# Altium PCB 6502_CPU_MainBoard_PCB_V1_2.PcbDoc (part 2 of 5)
Units mil, origin at the board's own origin, x right, y up, seen from the top; angles counter-clockwise.
Board outline 9000 x 6000 mil, 4 copper layers (Top Layer, Plane(GND), Plane(Power), Bottom Layer), stack 23.756 mil thick; 386 components, 378 nets, 1499 pads, 666 vias.
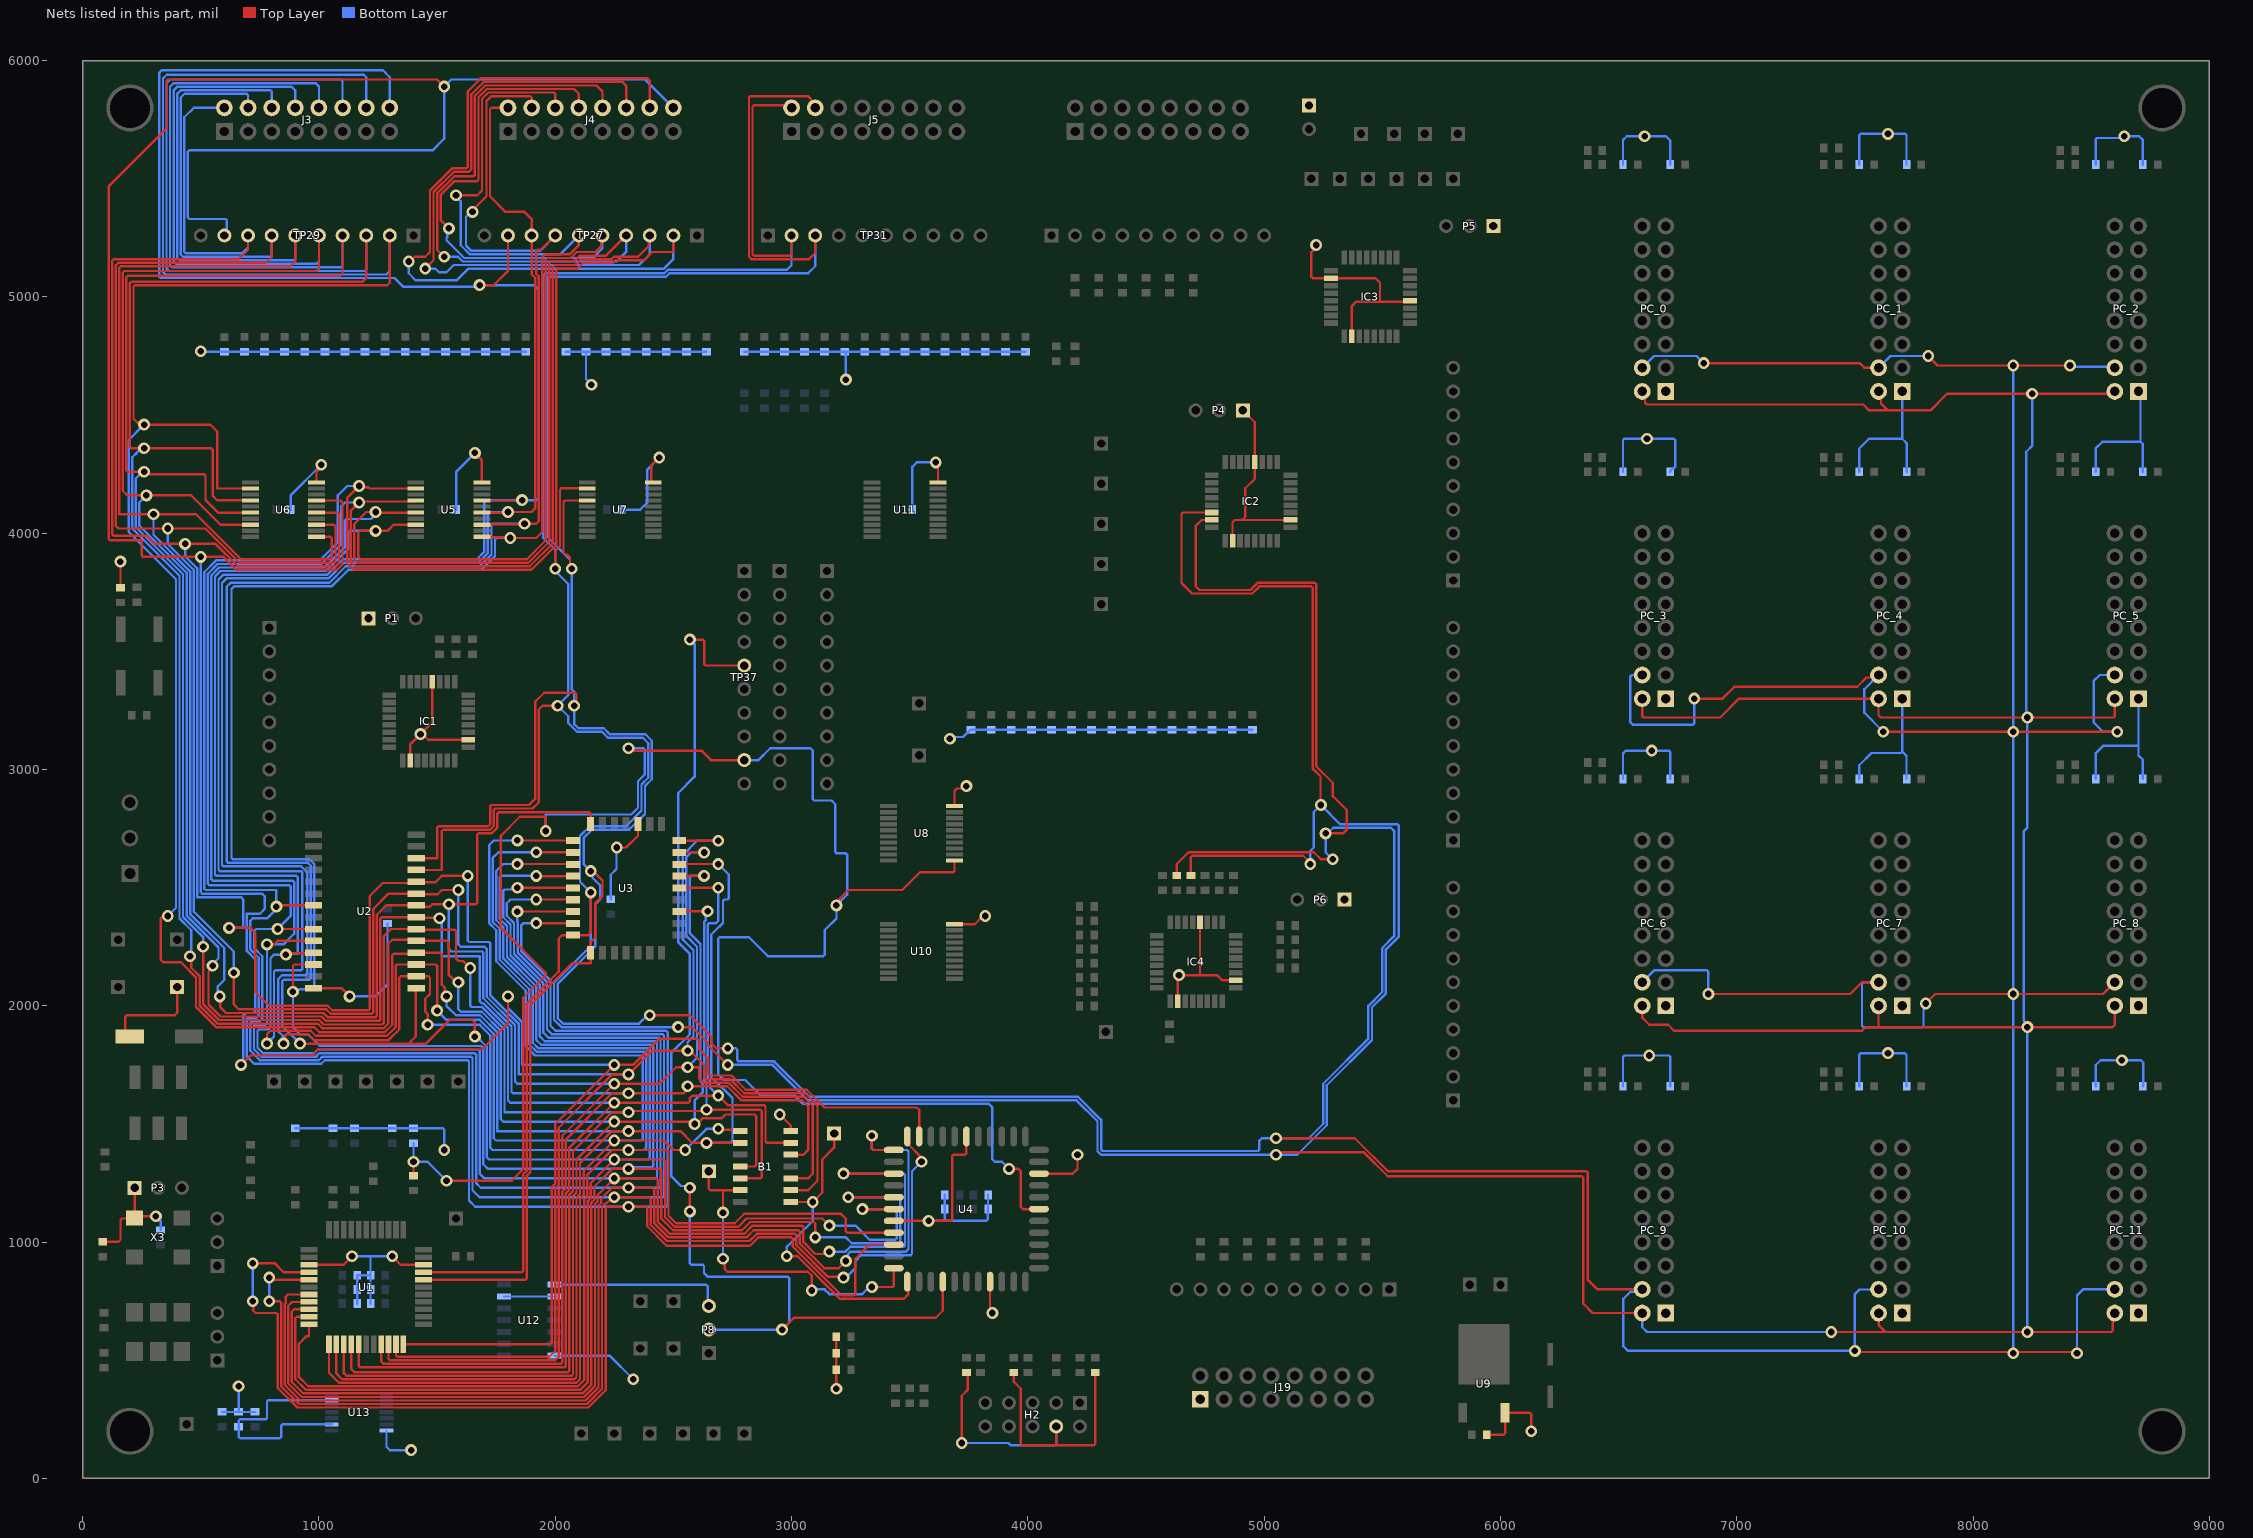
[diagram p4: the nets of this part, all layers, seen from the top]

## Via types
v1: diameter 50, hole 28, Top Layer to Bottom Layer, 666 vias

## Nets (pads, with @x,y where several pads share a name; then routed paths per layer and width w, separated by ;. In a path a pad name is that pad's centre, name@x,y a point inside that pad or via, vN(x,y) a via of type N, cw(c..) or ccw(c..) an arc to the next point about the centre after c; other vN are vias at no path point) (continued)
+5: B1.14 C2.1 C3.1 C4.1 C5.1 C6.1 C7.1 C8.1 C9.1 C10.1 C11.1 C12.1 C13.1 C14.1 C15.1 C16.1 C17.1 C18.1 C20.1 D1.1 H2.4 IC1.10 IC1.18 IC1.28 IC2.10 IC2.18 IC2.28 IC3.10 IC3.18 IC3.28 IC4.10 IC4.18 IC4.28 J2.1 J19.1 P1.1 P3.1 P4.1 P5.1 P6.1 PC_0.1 PC_1.1 PC_2.1 PC_3.1 PC_4.1 PC_5.1 PC_6.1 PC_7.1 PC_8.1 PC_9.1 PC_10.1 PC_11.1 R1.2 R2.2 R3.2 R4.2 R8.2 R9.2 R10.2 R12.1 R13.1 R14.1 R31.2 R56.1 R72.1 R73.1 R74.1 R75.1 R76.1 R77.1 R78.1 R79.1 R80.2 R81.2 R82.2 R83.2 R84.2 R85.2 R86.2 R87.2 R88.2 R89.2 R90.2 R91.2 R92.2 R93.2 R94.2 R95.2 R96.1 R97.1 R98.1 R99.1 R100.1 R101.1 R102.1 R103.1 R112.1 R113.1 R114.1 R115.1 R116.1 R117.1 R118.1 R119.1 R120.1 R121.1 R122.1 R123.1 R124.1 R125.1 R126.1 R135.1 R136.1 R140.1 R141.1 R147.1 R148.1 R274.1 R275.1 R276.1 R277.1 R278.1 R279.1 R280.1 R281.1 R282.1 R283.1 R284.1 R285.1 R286.1 R300.1 R301.1 R302.1 R303.1 R304.1 R305.1 R306.1 R307.1 R308.1 R309.1 R310.1 R311.1 R312.1 R313.1 R314.1 R315.1 TP22.1 U1.3 U1.31 U2.28 U3.32 U4.3 U4.15 U4.23 U4.35 U5.20 U6.20 U7.20 U8.20 U9.3 U10.20 U11.20 U12.14 U13.14 X3.4 | length 24023.6
  Top Layer w10: R140.1@85,1001.5 151.5,1001.5 160,1010 160,1094.14 165.86,1100 217.32,1100 X3.4@220,1102.68 ; R56.1@160,3770 v1(160,3880) ; D1.1@200,1870 180,1890 180,1954.14 185.86,1960 390,1960 400,1970 TP22.1@400,2080 ; D1.1@200,1874.98 D1.1@204.98,1870 ; P3.1@220,1230 X3.4@220,1102.68 ; v1(310,1110) 227.32,1110 X3.4@220,1102.68 ; U1.3@957.87,904.49 1104.49,904.49 v1(1140,940) ; U2.28@976.67,2075 1095,2075 v1(1130,2040) ; U6.20@989.76,4215.16 989.76,4258.94 1010,4279.18 v1(1010,4290) ; v1(1310,940) 1345.51,904.49 U1.31@1442.13,904.49 ; IC1.10@1385.75,3038.15 1385.75,3105.75 v1(1430,3150) ; IC1.28@1480.24,3371.85 1480.24,3200.24 v1(1430,3150) ; IC1.18@1631.34,3126.26 1462.83,3126.26 1439.09,3150 v1(1430,3150) ; v1(1660,4340) 1689.76,4310.24 U5.20@1689.76,4215.16 ; v1(2260,2670) 2300,2670 2350,2720 U3.32@2350,2770 ; U7.20@2414.76,4215.16 2409.86,4215.16 2406,4219.02 2406,4286 v1(2440,4320) ; v1(2950,1540) 2996.77,1493.23 B1.14@2996.77,1470 ; R13.1@3188.5,600 R12.1@3188.5,530 R14.1@3188.5,460 3188.5,381.5 v1(3190,380) ; U4.35@3432.79,1090 v1(3580,1090) 3674.14,1090 3680,1095.86 3680,1364.14 3685.86,1370 3734.14,1370 3740,1375.86 U4.23@3740,1447.2 ; v1(3610,4300) 3619.76,4290.24 U11.20@3619.76,4215.16 ; U10.20@3689.76,2345.16 3775.16,2345.16 3810.86,2380.86 3819.14,2380.86 v1(3820,2380) ; U8.20@3689.76,2845.16 3689.76,2909.76 3700,2920 3734.14,2920 3740,2925.86 v1(3740,2930) ; v1(3720,150) 3720,350 3745,375 3745,443.5 R141.1@3740,448.5 ; U4.3@3840,832.8 3840,710 v1(3850,700) ; R147.1@3940,448.5 3940,410 3970,380 3970,145.86 3975.86,140 4119.14,140 ; U4.15@4047.2,1290 4190,1290 4210,1310 v1(4210,1370) ; H2.4@4120,220 4120,140.86 4119.14,140 ; R148.1@4285,448.5 4285,145.86 4279.14,140 4119.14,140 ; IC4.10@4634.02,2020 4634.02,2124.14 v1(4639.87,2130) 4728.5,2130 ; IC4.28@4728.5,2353.7 4728.5,2130 ; IC2.10@4866.26,3968.15 4866.26,4046.66 4875.86,4056.26 4906.26,4056.26 ; IC4.18@4879.61,2108.11 4821.89,2108.11 4800,2130 4728.5,2130 ; P4.1@4910,4520 4960,4470 4960,4302.6 IC2.28@4960.75,4301.85 4960.75,4230.75 4920,4190 4920,4070 4906.26,4056.26 ; IC2.18@5111.85,4056.26 4906.26,4056.26 ; v1(5220,5220) 5220,5209.18 5200,5189.18 5200,5084.6 5205.86,5078.74 IC3.10@5283.15,5078.74 5471.26,5078.74 5490,5060 5490,4980 ; IC3.18@5371.26,4833.15 5371.26,4961.26 5390,4980 5490,4980 ; IC3.28@5616.85,4984.25 5612.6,4980 5490,4980 ; C20.1@5941.5,185 6013.91,185 6019.76,190.86 U9.3@6019.76,277.68 6124.14,277.68 6130,271.82 v1(6130,200)
  Bottom Layer w10: v1(310,1110) 330,1090 C18.1@330,1051.5 ; v1(500,4770) 501.5,4768.5 R95.2@600,4768.5 R94.2@685,4768.5 R93.2@770,4768.5 R92.2@855,4768.5 R91.2@940,4768.5 R90.2@1025,4768.5 R89.2@1110,4768.5 R88.2@1195,4768.5 R87.2@1280,4768.5 R86.2@1365,4768.5 R85.2@1450,4768.5 R84.2@1535,4768.5 R83.2@1620,4768.5 R82.2@1705,4768.5 R81.2@1790,4768.5 R80.2@1875,4768.5 ; R8.2@590,281.5 R10.2@660,281.5 ; v1(660,390) R10.2@660,281.5 ; R9.2@730,281.5 R10.2@660,281.5 ; C3.1@881.5,4100 881.5,4161.5 v1(1010,4290) ; R2.2@900,1481.5 R3.2@1060,1481.5 R1.2@1150,1481.5 1524.14,1481.5 1530,1475.64 v1(1530,1390) ; v1(1130,2040) 1240,2040 1290,2090 C16.1@1290,2348.5 ; v1(1140,940) 1218.5,940 ; C8.1@1161.5,740 C7.1@1161.5,800 C6.1@1161.5,860 C9.1@1218.5,860 ; C11.1@1218.5,740 C10.1@1218.5,800 C9.1@1218.5,860 ; U13.14@1285.67,203.23 1285.67,134.33 1300,120 v1(1390,120) ; v1(1310,940) 1218.5,940 ; C2.1@1581.5,4100 1581.5,4261.5 v1(1660,4340) ; U12.14@1996.77,520 2230,520 v1(2330,420) ; R103.1@2045,4768.5 R102.1@2130,4768.5 ; v1(2153,4628) 2148,4633 2148,4635 2130,4653 R102.1@2130,4768.5 ; C17.1@2235,2451.5 2235,2555 2259.14,2579.14 2259.14,2669.14 v1(2260,2670) ; C4.1@2281.5,4100 2360,4100 2390,4130 2390,4270 v1(2440,4320) ; R96.1@2640,4768.5 R97.1@2555,4768.5 R98.1@2470,4768.5 R99.1@2385,4768.5 R100.1@2300,4768.5 R101.1@2215,4768.5 R102.1@2130,4768.5 ; R278.1@2800,4768.5 R274.1@2885,4768.5 R275.1@2970,4768.5 R276.1@3055,4768.5 R277.1@3140,4768.5 R307.1@3225,4768.5 ; v1(3230,4650) 3230,4763.5 R307.1@3225,4768.5 ; C5.1@3511.5,4100 3511.5,4281.5 3530,4300 v1(3610,4300) ; v1(3580,1090) 3654.36,1090 ; C14.1@3648.5,1200 C15.1@3648.5,1140 3648.5,1095.86 3654.36,1090 ; v1(3670,3130) 3677.65,3137.65 3726.2,3137.65 3757.05,3168.5 R114.1@3845,3168.5 R113.1@3930,3168.5 R112.1@4015,3168.5 R116.1@4100,3168.5 R117.1@4185,3168.5 R118.1@4270,3168.5 R315.1@4355,3168.5 R314.1@4440,3168.5 R313.1@4525,3168.5 R312.1@4610,3168.5 R311.1@4695,3168.5 R310.1@4780,3168.5 R309.1@4865,3168.5 R308.1@4950,3168.5 ; v1(3720,150) 3917.48,150 3927.48,140 4114.14,140 4120,145.86 H2.4@4120,220 ; C12.1@3831.5,1200 C13.1@3831.5,1140 3830,1138.5 3830,1095.86 3824.14,1090 3654.36,1090 ; R136.1@3990,4768.5 R135.1@3905,4768.5 R300.1@3820,4768.5 R301.1@3735,4768.5 R302.1@3650,4768.5 R303.1@3565,4768.5 R304.1@3480,4768.5 R305.1@3395,4768.5 R306.1@3310,4768.5 R307.1@3225,4768.5 ; R285.1@6518.5,1660 6518.5,1784.14 6524.36,1790 6712.65,1790 6718.5,1784.14 R281.1@6718.5,1660 ; R120.1@6518.5,2960 6518.5,3068.5 6530,3080 v1(6640,3080) 6712.65,3080 6718.5,3074.14 R73.1@6718.5,2960 ; R123.1@6518.5,4260 6518.5,4394.14 6524.36,4400 6733.3,4400 6739.16,4394.14 6739.16,4280.66 6732.2,4273.7 6729.25,4273.7 6718.5,4262.95 R76.1@6718.5,4260 ; R126.1@6518.5,5560 6518.5,5664.14 6534.36,5680 v1(6610,5680) 6700,5680 6718.5,5661.5 R79.1@6718.5,5560 ; R284.1@7518.5,1660 7518.5,1794.14 7524.36,1800 7710,1800 7718.5,1791.5 R280.1@7718.5,1660 ; R119.1@7518.5,2960 7518.5,3018.5 7570,3070 7694.14,3070 7700,3075.86 ; R122.1@7518.5,4260 7518.5,4358.5 7560,4400 7700,4400 ; R125.1@7518.5,5560 7518.5,5684.14 7524.36,5690 7712.65,5690 7718.5,5684.14 R78.1@7718.5,5560 ; PC_4.1@7700,3300 7700,3075.86 ; PC_1.1@7700,4600 7700,4400 ; R72.1@7718.5,2960 7718.5,3057.35 7700,3075.86 ; R75.1@7720,4260 7720,4380 7700,4400 ; R283.1@8518.5,1660 8518.5,1748.5 8540,1770 8710,1770 8720,1760 8720,1661.5 R279.1@8718.5,1660 ; R286.1@8518.5,2960 8518.5,3068.5 8550,3100 8700,3100 ; R121.1@8518.5,4260 8518.5,4358.5 8547.24,4387.24 8708.5,4387.24 ; R124.1@8518.5,5560 8518.5,5666.49 8524.36,5672.35 8632.35,5672.35 v1(8640,5680) 8702.65,5680 8718.5,5664.14 R77.1@8718.5,5560 ; PC_5.1@8700,3300 8700,3100 ; PC_2.1@8700,4600 8708.5,4591.5 8708.5,4387.24 ; R282.1@8718.5,2960 8718.5,3041.5 8700,3060 8700,3100 ; R74.1@8718.5,4260 8718.5,4377.24 8708.5,4387.24 ; C9.1@1218.5,860 1218.5,940
  other v1: 8630,1770 6630,1790 7640,1800 6620,4400 7640,5690
A0: J4.14 TP27.2 U1.4 U2.21 U3.12 U4.37 U5.2 | length 19067.2
  Top Layer w10: v1(720,750) 722.43,747.57 722.43,710 732.43,700 819.27,700 825.13,694.14 825.13,383.66 908.79,300 2140,300 2213.11,373.11 2213.11,1142.78 2220.33,1150 2383.54,1150 2389.39,1144.14 2389.39,1066.97 2471.36,985 2823.79,985 2858.79,1020 2999.14,1020 3005,1014.14 3005,981.36 3211.36,775 3264.14,775 3270,780.86 3270,930 3330,990 U4.37@3432.79,990 ; v1(720,910) 813.54,910 850.55,872.99 U1.4@957.87,872.99 ; v1(820,2420) 825,2425 U2.21@976.67,2425 ; v1(1380,5150) 1385.86,5150 1405.86,5170 1450,5170 1470,5190 1470,5450 1565,5545 1624.14,5545 1630,5550.86 1630,5870 1685,5925 2390,5925 2400,5915 J4.14@2400,5800 ; U5.2@1410.24,4189.57 1215,4189.57 1210,4194.57 1175.43,4194.57 v1(1170,4200) 1119.14,4149.14 1119.14,3874.29 1148.43,3845 1898.64,3845 2005,3951.36 2005,5114.14 2010.86,5120 2094.14,5120 2118.54,5144.39 2244.39,5144.39 2255,5155 2375,5155 2410,5190 2500,5190 TP27.2@2500,5260 ; v1(1920,2350) 1921,2349 U3.12@2075,2349
  Bottom Layer w10: v1(720,750) v1(720,910) ; v1(1170,4200) 1120,4200 1080,4160 1080,3961.21 1003.79,3885 565,3885 515,3835 515,2495.86 520.86,2490 820,2490 v1(820,2420) 820,2410 780,2370 720,2370 710,2360 710,2238.79 745,2203.79 745,1960 735,1950 700.86,1950 695,1944.14 695,1785 725,1755 1010,1755 1025,1770 1629.14,1770 1635,1764.14 1635,1176.21 1661.21,1150 2469.64,1150 2475.5,1155.86 2475.5,1889.14 2469.64,1895 2000.86,1895 1980,1915.86 1980,2107.28 1855.61,2231.67 1855.61,2340 1865.61,2350 v1(1920,2350) ; v1(1380,5150) 1380,5100 1410,5070 1582.5,5070 1632.5,5120 2460,5120 2500,5160 TP27.2@2500,5260
  other v1: 2310,1150
A1: J4.12 TP27.3 U1.5 U2.23 U3.11 U4.28 U5.4 | length 18663.7
  Top Layer w10: v1(790,750) 833.83,750 840.13,743.7 840.13,389.87 915,315 2133.79,315 2198.11,379.32 2198.11,1148.99 2214.78,1165.67 2217.76,1165.67 2239.18,1187.08 2239.18,1190 2398.54,1190 2404.39,1184.14 2404.39,1073.18 2472.57,1005 2822.57,1005 2852.57,1035 3014.14,1035 3020,1029.14 3020,987.57 3154.54,853.03 3216.97,853.03 v1(3220,850) ; v1@809.33,841.5 U1.5@957.87,841.5 ; v1(825,2325) U2.23@976.67,2325 ; U5.4@1410.24,4138.39 1406.38,4134.53 1174.53,4134.53 1134.14,4094.14 1134.14,3880.5 1154.64,3860 1892.43,3860 1990,3957.57 1990,5129.14 1995.86,5135 2086.21,5135 2110.61,5159.39 2238.18,5159.39 2248.79,5170 2350,5170 2395.47,5215.47 2395.47,5255.47 TP27.3@2400,5260 ; v1(1450,5120) 1485,5155 1485,5443.79 1571.21,5530 1635,5530 1645,5540 1645,5857.43 1697.57,5910 2284.14,5910 2300,5894.14 J4.12@2300,5800 ; v1(1840,2399) U3.11@2075,2399 ; U4.28@3486.64,1450.56 U4.28@3490,1447.2 3490,1418.78 3550,1358.78 v1(3550,1340)
  Bottom Layer w10: v1(790,750) v1(790,850) ; v1(1170,4130) 1110.86,4130 1095,4114.14 1095,3955 1010,3870 571.21,3870 530,3828.79 530,2515.86 535.86,2510 874.14,2510 880,2504.14 880,2380 v1(825,2325) 735,2325 725,2315 725,2245 760,2210 760,1945.86 749.14,1935 715.86,1935 710,1929.14 710,1810 750,1770 1000,1770 1015,1785 1644.14,1785 1650,1779.14 1650,1220 1680,1190 v1(2250,1190) 2454.64,1190 2460.5,1195.86 2460.5,1874.14 2454.64,1880 1985.86,1880 1965,1900.86 1965,2101.07 1840.61,2225.46 1840.61,2356.67 1840,2357.28 v1(1840,2399) ; v1(1450,5120) 1492.48,5120 1508.34,5104.14 1540,5104.14 1570.86,5135 2355,5135 2400,5180 TP27.3@2400,5260 ; v1(3220,850) 3230,850 3270,890 3270,920 3295,945 3504.14,945 3510,950.86 3510,1300 v1(3550,1340)
A2: J4.10 TP27.4 U1.7 U2.24 U3.10 U4.29 U5.6 | length 18143.4
  Top Layer w10: v1(780,2260) 810,2260 825,2275 U2.24@976.67,2275 ; U1.7@957.87,778.5 868.5,778.5 860,770 860,742.36 855.13,737.49 855.13,396.09 921.21,330 2127.57,330 2183.11,385.53 2183.11,1155.2 2195,1167.1 2195,1184.5 2240.5,1230 v1(2310,1230) 2413.54,1230 2419.39,1224.14 2419.39,1079.39 2478.79,1020 2810,1020 2840,1050 3029.14,1050 3035,1044.14 3035,993.79 3138.79,890 3200,890 v1(3230,920) ; U5.6@1410.24,4087.2 1242.8,4087.2 v1(1240,4090) 1200,4090 1149.14,4039.14 1149.14,3886.72 1160.86,3875 1886.21,3875 1975,3963.79 1975,5144.14 1980.86,5150 2080,5150 2102.76,5172.76 2105,5175 2215,5175 TP27.4@2300,5260 ; v1(1530,5170) 1500,5200 1500,5437.57 1572.43,5510 1654.14,5510 1660,5515.86 1660,5851.21 1703.79,5895 2175,5895 2200,5870 J4.10@2200,5800 ; v1(1920,2450) 2074,2450 U3.10@2075,2449 ; v1(3340,1450) 3340,1395.86 3345.86,1390 U4.29@3432.79,1390
  Bottom Layer w10: v1(1240,4090) 1240,4080 1220,4060 1115.86,4060 1110,4054.14 1110,3941.21 1023.79,3855 577.43,3855 545,3822.57 545,2535.86 550.86,2530 889.14,2530 895,2524.14 895,2305 850,2260 v1(780,2260) 780,1925.86 774.14,1920 730.86,1920 725,1914.14 725,1816.21 756.21,1785 990,1785 990,1788.79 1001.21,1800 1659.14,1800 1665,1794.14 1665,1250 1685,1230 v1(2310,1230) 2439.64,1230 2445.5,1235.86 2445.5,1859.14 2439.64,1865 1970.86,1865 1950,1885.86 1950,2094.85 1825.61,2219.25 1825.61,2350.46 1795,2381.07 1795,2434.14 1810.86,2450 v1(1920,2450) ; v1(1530,5170) 1588.79,5170 1608.79,5150 2260,5150 2300,5190 TP27.4@2300,5260 ; v1(3230,920) 3237.65,927.65 3237.65,947.65 3250,960 3484.14,960 3495,970.86 3495,1384.14 3489.14,1390 3345.86,1390 3340,1395.86 v1(3340,1450)
A3: J4.8 TP27.5 U1.8 U2.25 U3.9 U4.31 U5.8 | length 17382.4
  Top Layer w10: v1(860,2216.64) 865.86,2222.5 974.17,2222.5 U2.25@976.67,2225 ; U1.8@957.87,747.01 885.86,747.01 870.13,731.28 870.13,402.3 927.43,345 2121.36,345 2168.11,391.75 2168.11,1161.42 2180,1173.31 2180,1200 v1(2250,1270) 2428.54,1270 2434.39,1264.14 2434.39,1085.61 2485,1035 2800,1035 2835,1070 3044.14,1070 3050,1064.14 3050,1000 3100,950 3134.14,950 3136.49,952.35 3152.35,952.35 v1(3160,960) ; U5.8@1410.24,4036.02 1316.02,4036.02 1290,4010 v1(1240,4010) 1172.73,4010 1166.87,4004.14 1166.87,3898.79 1175.66,3890 1880,3890 1960,3970 1960,5159.14 1965.86,5165 2066.21,5165 2091.21,5190 2170,5190 2195.47,5215.47 2195.47,5255.47 TP27.5@2200,5260 ; v1(1550,5290) 1515,5325 1515,5431.36 1573.64,5490 1669.14,5490 1675,5495.86 1675,5845 1710,5880 2080,5880 2100,5860 J4.8@2100,5800 ; v1(1840,2500) 2074,2500 U3.9@2075,2499 ; v1(3220,1290) U4.31@3432.79,1290
  Bottom Layer w10: v1(1240,4010) 1130.86,4010 1125,4004.14 1125,3935 1030,3840 583.64,3840 560,3816.36 560,2555.86 565.86,2550 904.14,2550 910,2544.14 910,2220 863.36,2220 v1(860,2216.64) 810,2216.64 795,2201.64 795,1910 785,1900 745.86,1900 740,1894.14 740,1822.43 762.43,1800 980,1800 995,1815 1674.14,1815 1680,1809.14 1680,1290 1700,1270 v1(2250,1270) 2424.64,1270 2430.5,1275.86 2430.5,1844.14 2424.64,1850 1955.86,1850 1935,1870.86 1935,2088.64 1810.61,2213.03 1810.61,2344.25 1780,2374.85 1780,2486.49 1785.86,2492.35 1812.35,2492.35 v1@1820,2500 ; v1(1550,5290) 1542.35,5282.35 1542.35,5252.35 1540,5250 1540,5240 1615,5165 2159.14,5165 2200,5205.86 TP27.5@2200,5260 ; v1(3160,960) 3228.79,960 3248.79,980 3474.14,980 3480,985.86 3480,1284.14 3474.14,1290 v1(3220,1290)
A4: J4.6 TP27.6 U1.9 U2.26 U3.8 U4.33 U5.11 | length 15990.5
  Top Layer w10: v1(890,2060) 890,2169.14 895.86,2175 U2.26@976.67,2175 ; U1.9@957.87,715.51 894.49,715.51 885.13,706.15 885.13,408.51 933.64,360 2115.15,360 2153.11,397.96 2153.11,1167.63 2165,1179.52 2165,1234.5 2240.5,1310 v1(2310,1310) 2443.54,1310 2449.39,1304.14 2449.39,1099.39 2498.79,1050 2790,1050 2825,1085 3094.14,1085 3100,1079.14 v1(3100,1020) ; v1(1580,5430) 1670,5430 1690,5450 1690,5838.79 1716.21,5865 1994.14,5865 2000,5859.14 J4.6@2000,5800 ; U5.11@1689.76,3984.84 1692.19,3982.42 1807.58,3982.42 v1(1810,3980) 1920,3980 1945,4005 1945,5169.14 1955.86,5180 2060,5180 2100,5220 TP27.6@2100,5260 ; v1(1920,2550) 1921,2549 U3.8@2075,2549 ; v1(3240,1190) U4.33@3432.79,1190
  Bottom Layer w10: v1(1580,5430) 1580,5424.14 1600,5404.14 1600,5218.79 1638.79,5180 2020,5180 TP27.6@2100,5260 ; v1(1810,3980) 1750.86,3980 1745,3974.14 1745,3903.79 1686.21,3845 1123.79,3845 1053.79,3775 640.86,3775 630,3764.14 630,2625.86 635.86,2620 960.36,2620 980,2600.36 980,2075.86 974.14,2070 915.86,2070 913.51,2067.65 897.65,2067.65 v1(890,2060) 890,1910 920,1880 953.79,1880 1003.79,1830 1685.86,1830 1695,1820.86 1695,1330 1715,1310 v1(2310,1310) 2317.22,1317.22 2409.64,1317.22 2415.5,1323.08 2415.5,1829.14 2409.64,1835 1940.86,1835 1920,1855.86 1920,2082.43 1795.61,2206.82 1795.61,2338.03 1765,2368.64 1765,2544.14 1770.86,2550 v1(1920,2550) ; v1(3100,1020) 3230,1020 3255,995 3454.14,995 3460,1000.86 3460,1184.14 3454.14,1190 v1(3240,1190)
A5: J4.4 TP27.7 U1.10 U2.1 U3.7 U4.34 U5.13 | length 15581.5
  Top Layer w10: v1(920,1840) 1380,1840 ; U1.10@957.87,684.02 905.98,684.02 900.13,678.16 900.13,419.87 945,375 2105,375 2138.11,408.11 2138.11,1173.84 2150,1185.74 2150,1250 v1(2250,1350) 2458.54,1350 2464.39,1344.14 2464.39,1105.61 2505,1065 2775,1065 2810,1100 3130,1100 v1(3160,1070) ; U2.1@1411.71,2075 1410,2073.29 1410,1870 1380,1840 ; v1(1650,5360) 1650,5366.72 1709.14,5425.86 1709.14,5829.14 1730,5850 1894.14,5850 1900,5844.14 J4.4@1900,5800 ; v1(1660,1870) 1660,1930 1650,1940 1552.79,1940 1452.79,1840 1380,1840 ; U5.13@1689.76,4036.02 1691.75,4038.01 1868.01,4038.01 v1(1870,4040) 1919.14,4040 1930,4050.86 1930,5087.07 1920,5097.07 1920,5194.14 1925.86,5200 1940,5200 TP27.7@2000,5260 ; v1(1840,2600) 2074,2600 U3.7@2075,2599 ; v1(3300,1140) U4.34@3432.79,1140
  Bottom Layer w10: v1(920,1840) 845,1915 845,2104.14 850.86,2110 959.14,2110 965,2115.86 965,2594.14 954.14,2605 615.86,2605 610,2610.86 610,3774.14 625.86,3790 1043.64,3790 1113.64,3860 1680,3860 1730,3910 1730,4034.14 1735.86,4040 v1(1870,4040) ; v1(1650,5360) 1642.98,5360 1622.35,5339.37 1622.35,5217.65 1645,5195 1935,5195 TP27.7@2000,5260 ; v1(1660,1870) 1667.07,1870 1710,1827.07 1710,1360 1720,1350 v1(2250,1350) 2394.64,1350 2400.5,1355.86 2400.5,1814.14 2394.64,1820 1928.79,1820 1905,1843.79 1905,2076.21 1780.61,2200.61 1780.61,2331.82 1750,2362.43 1750,2570 1780,2600 v1(1840,2600) ; v1(3160,1070) 3270,1070 3330,1010 3439.14,1010 3445,1015.86 3445,1134.14 3439.14,1140 v1(3300,1140)
A6: J4.2 TP27.8 U1.11 U2.2 U3.6 U4.36 U5.15 | length 14700.1
  Top Layer w10: v1(850,1840) 857.65,1847.65 857.65,1875.15 862.5,1880 955,1880 980,1855 1295,1855 1340,1900 1340,2119.14 1345.86,2125 1464.14,2125 1470,2119.14 1470,2050 1450,2030 1450,1975.41 1460,1965.41 v1(1460,1920) ; U1.11@957.87,652.52 957.87,602.28 947.41,602.28 915.13,570 915.13,430 955.13,390 2096.21,390 2123.11,416.89 2123.11,1180.06 2135,1191.95 2135,1284.5 2240.5,1390 v1(2310,1390) 2473.54,1390 2479.39,1384.14 2479.39,1111.82 2511.21,1080 2760,1080 2800,1120 3199.5,1120 3200,1119.5 3209.5,1119.5 3230,1098.99 3230,1045.86 3235.86,1040 U4.36@3432.79,1040 ; U5.15@1689.76,4087.2 1797.2,4087.2 v1(1800,4090) 1900,4090 1915,4105 1915,5080.86 1900,5095.86 TP27.8@1900,5260 1900,5330 1870,5360 1790,5360 1724.14,5425.86 1724.14,5794.14 1730,5800 J4.2@1800,5800 ; v1(1920,2650) 2074,2650 U3.6@2075,2649 ; U4.36@3453.78,1040 U4.36@3460,1033.78
  Bottom Layer w10: v1(850,1840) 846.72,1843.28 846.72,1873.28 827.32,1892.68 827.32,2112.68 844.64,2130 944.14,2130 950,2135.86 950,2565.36 925.36,2590 595.86,2590 590,2595.86 590,3789.14 610.86,3810 1042.43,3810 1107.43,3875 1673.79,3875 1715,3916.21 1715,4084.14 1720.86,4090 v1(1800,4090) ; v1(1460,1920) 1680.15,1920 1725,1875.15 1725,1400 1735,1390 v1(2310,1390) 2375.5,1390 2385.5,1400 2385.5,1799.14 2379.64,1805 1922.57,1805 1890,1837.57 1890,2070 1765,2195 1765,2326.21 1735,2356.21 1735,2625 1760,2650 v1(1920,2650)
A7: B1.1 J3.16 TP27.9 U1.12 U2.3 U3.5 U5.17 | length 16651.3
  Top Layer w10: v1(780,1840) 780,1880 795,1895 965,1895 986.89,1873.11 1288.11,1873.11 1325,1910 1325,2169.14 1330.86,2175 U2.3@1411.71,2175 1494.14,2175 1500,2169.14 v1(1500,1980) ; U1.12@1042.52,567.87 1042.52,447.48 1085,405 2090,405 2105,420 2105,1183.16 2120,1198.16 2120,1300 v1(2250,1430) 2460,1430 2500,1390 v1(2550,1390) ; v1(1680,5050) 1740,5050 1800,5110 TP27.9@1800,5260 ; U5.17@1689.76,4138.39 1858.39,4138.39 v1(1860,4140) ; v1(1840,2700) 2074,2700 U3.5@2075,2699 U3.5@2065,2689 ; v1(2690,1480) 2695,1475 2778.23,1475 B1.1@2783.23,1470
  Bottom Layer w10: v1(780,1840) 810,1870 810,2144.14 815.86,2150 924.14,2150 930,2155.86 930,2564.14 924.14,2570 580.86,2570 575,2575.86 575,3804.14 595.86,3825 1036.21,3825 1101.21,3890 1667.57,3890 1700,3922.43 1700,4134.14 1705.86,4140 v1(1860,4140) 1920,4140 1930,4150 1930,5030 1910,5050 v1(1680,5050) 1672.35,5042.35 1357.65,5042.35 1320,5080 330.86,5080 325,5085.86 325,5949.14 335.86,5960 1270,5960 1300,5930 J3.16@1300,5800 ; v1(1500,1980) 1539.32,1940.68 1680.68,1940.68 1740,1881.36 1740,1440 1750,1430 v1(2250,1430) 2364.64,1430 2370.5,1435.86 2370.5,1784.14 2364.64,1790 1915,1790 1875,1830 1875,2063.79 1750,2188.79 1750,2320 1720,2350 1720,2680 1740,2700 v1(1840,2700) ; v1(2550,1390) 2639.5,1479.5 2689.5,1479.5 v1(2690,1480)
A8: B1.2 J3.14 TP29.2 U1.13 U2.4 U3.27 U6.2 | length 15499.4
  Top Layer w10: v1(360,2380) 354.14,2385.86 345.86,2385.86 330,2370 330,2195.86 340.86,2185 415,2185 480,2120 480,1995 565,1910 980,1910 1001.89,1888.11 1278.11,1888.11 1310,1920 1310,2214.14 1315.86,2220 1406.71,2220 U2.4@1411.71,2225 1514.14,2225 1520,2219.14 1520,2090 1532.35,2077.65 1532.35,2047.65 v1(1540,2040) ; U6.2@710.24,4189.57 570,4189.57 570,4430 540.43,4459.57 v1(260,4459.57) 252.35,4467.22 232.35,4467.22 215,4484.57 215,5044.14 220.86,5050 1290,5050 1300,5060 TP29.2@1300,5260 ; U1.13@1074.02,567.87 1074.02,444.02 1098.03,420 2081.21,420 2090,428.79 2090,1189.38 2105,1204.38 2105,1334.5 2240.5,1470 v1(2310,1470) 2530,1470 2580,1420 v1(2640,1420) B1.2@2783.23,1420 ; U3.27@2525,2599 2526,2600 v1(2690,2600)
  Bottom Layer w10: v1(260,4459.57) 195,4394.57 195,4005 395,3805 395,2415 v1(360,2380) ; J3.14@1200,5800 1200,5930 1190,5940 355.86,5940 340,5924.14 340,5105.86 350.86,5095 1285,5095 1300,5110 TP29.2@1300,5260 ; v1(1540,2040) 1540,2000 1580,1960 1682.57,1960 1755,1887.57 1755,1470 v1(2310,1470) ; v1(2640,1420) 2640.5,1420.5 2740.5,1420.5 2750,1430 2750,1609.5 2703.46,1656.04 2701.54,1656.04 2660,1697.57 2660,2301.57 2696.01,2337.57 2697.57,2337.57 2710,2350 2710,2444.14 2715.86,2450 2729.14,2450 2735,2455.86 2735,2555 v1(2690,2600)
A9: B1.4 J3.12 TP29.3 U1.14 U2.5 U3.26 U6.4 | length 14981.8
  Top Layer w10: v1(454.14,2210) 460,2204.14 460,2161.21 495,2126.21 495,2001.21 571.21,1925 995,1925 1014.39,1905.61 1274.39,1905.61 1292.93,1924.14 1292.93,2262.93 1310,2280 1406.71,2280 U2.5@1411.71,2275 1544.14,2275 1550,2269.14 1550,2130 1580,2100 v1(1590,2100) ; U6.4@710.24,4138.39 709.43,4139.19 570,4139.19 550,4159.19 550,4354.14 544.14,4360 v1(260,4360) 205.86,4360 200,4365.86 200,5059.14 205.86,5065 1185,5065 1200,5080 TP29.3@1200,5260 ; U1.14@1105.51,567.87 1105.51,445.86 1116.37,435 2069.14,435 2075,440.86 2075,1195.59 2090,1210.59 2090,1350 v1(2250,1510) 2564.14,1510 2566.49,1507.65 2582.35,1507.65 v1(2590,1500) 2598.91,1500 2622.74,1523.83 2703.83,1523.83 2720,1540 2844.14,1540 2850,1534.14 2850,1325.86 2844.14,1320 B1.4@2783.23,1320 ; U3.26@2525,2549 2526,2550 v1(2630,2550)
  Bottom Layer w10: v1(260,4360) 249.25,4360 226.34,4337.09 225.25,4337.09 210,4321.84 210,4020 410,3820 410,2370 460,2320 460,2215.86 v1(454.14,2210) ; J3.12@1100,5800 1100,5914.14 1094.14,5920 370.86,5920 355,5904.14 355,5120.86 365.86,5110 1194.14,5110 1200,5115.86 TP29.3@1200,5260 ; v1(1590,2100) 1590,1985.86 1600.86,1975 1688.79,1975 1770,1893.79 1770,1520 1780,1510 v1(2250,1510) ; v1(2590,1500) 2590,1600 2625,1635 2625,1668.93 2615,1678.93 2615,2261.21 2570,2306.21 2570,2544.14 2575.86,2550 v1(2630,2550)
A10: B1.5 J3.10 TP29.4 U1.15 U2.6 U3.23 U6.6 | length 14392.9
  Top Layer w10: v1(510,2250) 510,2007.43 577.43,1940 1001.21,1940 1020,1921.21 1267.2,1921.21 1275,1929.02 1275,2295 1305,2325 U2.6@1411.71,2325 1414.21,2322.5 1574.14,2322.5 1580,2316.64 1580,2200 1590,2190 1610,2190 v1(1640,2160) ; U6.6@710.24,4087.2 572.8,4087.2 520,4140 520,4244.14 514.14,4250 285.86,4250 283.51,4252.35 267.65,4252.35 v1(260,4260) 190.86,4260 185,4265.86 185,5083.54 191.46,5090 1090,5090 1100,5100 TP29.4@1100,5260 ; U1.15@1137.01,567.87 1137.01,462.99 1150,450 2054.14,450 2060,455.86 2060,1201.8 2075,1216.8 2075,1384.5 2240.5,1550 v1(2310,1550) 2315,1555 2635,1555 v1(2640,1560) 2868.28,1560 2874.14,1554.14 2874.14,1275.86 2868.28,1270 B1.5@2783.23,1270 ; U3.23@2525,2399 2526,2400 v1(2645,2400)
  Bottom Layer w10: v1(260,4260) 253.64,4260 225,4231.36 225,4026.21 425,3826.21 425,2376.21 510,2291.21 v1(510,2250) ; J3.10@1000,5800 1000,5890 985,5905 385.86,5905 370,5889.14 370,5135.86 380.86,5125 1094.14,5125 1100,5130.86 TP29.4@1100,5260 ; v1(1640,2160) 1640,2000.86 1645.86,1995 1690,1995 1785,1900 1785,1550 v1(2310,1550) ; v1(2640,1560) 2640,1675.15 2630,1685.15 2630,2355.36 2637.35,2362.7 2637.35,2392.35 v1(2645,2400)
A10_A7: B1.8 TP24.1 U4.40 | length 1347.5
  Top Layer w10: v1(2980,940) 2980.15,940.15 3025,940.15 3205.15,760 3475.01,760 3493.36,778.36 3493.36,829.44 U4.40@3490,832.8 ; B1.8@2996.77,1170 v1(3090,1170) 3130,1210 3130,1350 3180,1400 TP24.1@3180,1460
  Bottom Layer w10: v1(2980,940) 2980,980 3090,1090 v1(3090,1170)
A11: B1.13 J3.8 TP29.5 U1.16 U2.7 U3.25 U6.8 | length 13970.8
  Top Layer w10: v1(550,2170) 550,2161.72 532.43,2144.14 532.43,2006.21 583.64,1955 1011.21,1955 1030,1936.21 1254.14,1936.21 1260,1942.07 1260,2369.14 1265.86,2375 U2.7@1411.71,2375 1413.68,2373.03 1508.03,2373.03 v1(1510,2371.07) ; U6.8@710.24,4036.02 583.98,4036.02 460,4160 v1(270,4160) 190,4160 170,4180 170,5103.54 176.46,5110 990,5110 1000,5120 TP29.5@1000,5260 ; U1.16@1168.5,567.87 1168.5,475.86 1174.36,470 2039.14,470 2045,475.86 2045,1208.02 2060,1223.02 2060,1400 v1(2250,1590) 2564.14,1590 2570,1595.86 2570,1610 2580,1620 v1(2690,1620) 2730,1580 2884.14,1580 2890,1574.14 2890,1425.86 2895.86,1420 B1.13@2996.77,1420 ; U3.25@2525,2499 2689,2499 v1(2690,2500)
  Bottom Layer w10: v1(270,4160) 240,4130 240,4032.43 440,3832.43 440,2382.43 575,2247.43 575,2201.57 550,2176.57 v1(550,2170) ; J3.8@900,5800 900,5874.14 884.14,5890 400.86,5890 385,5874.14 385,5150.86 395.86,5140 990,5140 1000,5150 TP29.5@1000,5260 ; v1(1510,2371.07) 1517.65,2363.41 1517.65,2347.55 1520,2345.21 1520,2215.86 1525.86,2210 1680,2210 1680,2020 1690,2010 1696.21,2010 1800,1906.21 1800,1600 1810,1590 v1(2250,1590) ; v1(2690,1620) 2655,1655 2655,1681.36 2645,1691.36 2645,2344.14 2650.86,2350 2680,2350 2690,2360 v1(2690,2500)
A12: B1.12 J3.6 TP29.6 U1.19 U2.8 U3.4 U6.11 | length 14196.1
  Top Layer w10: v1(580,2040) 581.93,2038.07 581.93,1995 606.93,1970 1020,1970 1038.79,1951.21 1239.14,1951.21 1245,1957.07 1245,2385 1285,2425 U2.8@1411.71,2425 1416.71,2420 1470,2420 1480,2430 v1(1550,2430) 1664.14,2430 1670,2435.86 1670,2724.14 1675.86,2730 1730,2730 1755,2755 1755,2814.14 1760.86,2820 2144.14,2820 2150,2814.14 U3.4@2150,2770 ; TP29.6@900,5260 900,5150 880,5130 161.46,5130 155,5123.54 155,4080 v1(300,4080) 480,4080 670,3890 1049.14,3890 1055,3895.86 1055,3978.98 1049.14,3984.84 U6.11@989.76,3984.84 ; U1.19@1262.99,567.87 1262.99,495.86 1273.85,485 2024.14,485 2030,490.86 2030,1214.23 2045,1229.23 2045,1434.5 2240.5,1630 v1(2310,1630) 2544.14,1630 2550,1635.86 2550,1639.18 2560,1649.18 v1(2560,1660) 2727.57,1660 2787.57,1600 3045.44,1600 3070,1575.44 3070,1390 3050,1370 B1.12@2996.77,1370
  Bottom Layer w10: v1(300,4080) 300,3993.64 455,3838.64 455,2388.64 600,2243.64 600,2110.82 572.35,2083.17 572.35,2047.65 v1(580,2040) ; J3.6@800,5800 800,5869.14 794.14,5875 415.86,5875 400,5859.14 400,5165.86 410.86,5155 894.14,5155 900,5160.86 TP29.6@900,5260 ; v1(1550,2430) 1550,2240 1560,2230 1690,2230 1695,2225 1695,2032.43 1815,1912.43 1815,1636.64 1821.64,1630 v1(2310,1630)
A13: B1.10 J3.4 TP29.7 U1.20 U2.9 U3.28 U6.13 | length 14069.9
  Top Layer w10: v1(640,2140) 640,2005.86 660.86,1985 1031.21,1985 1050,1966.21 1224.14,1966.21 1230,1972.07 1230,2410 1295,2475 U2.9@1411.71,2475 1414.21,2472.5 1502.5,2472.5 1520,2490 v1(1590,2490) ; TP29.7@800,5260 800,5170 775,5145 151.46,5145 140,5133.54 140,4031.21 151.21,4020 v1(360,4020) 518.79,4020 663.79,3875 1063.79,3875 1070,3881.21 1070,4030 1063.98,4036.02 U6.13@989.76,4036.02 ; U1.20@1294.49,567.87 1294.49,505.86 1300.35,500 2000,500 2015,515 2015,1220.44 2030,1235.44 2030,1450 v1(2250,1670) 2441.74,1670 2511.74,1740 v1(2560,1740) 2610,1740 2610,1690.86 2625.86,1675 2733.79,1675 2793.79,1615 3051.65,1615 3090,1576.65 3090,1290 3070,1270 B1.10@2996.77,1270 ; U3.28@2525,2649 v1(2630,2649) v1@2641,2649
  Bottom Layer w10: v1(360,4020) 360,3954.85 470,3844.85 470,2398.79 640,2228.79 v1(640,2140) ; J3.4@700,5800 700,5854.14 694.14,5860 430.86,5860 415,5844.14 415,5179.64 424.64,5170 794.14,5170 800,5175.86 TP29.7@800,5260 ; v1(1590,2490) 1590,2260 1600,2250 1700,2250 1710,2240 1710,2038.64 1830,1918.64 1830,1680 1839.39,1670.61 2069.39,1670.61 2070,1670 v1(2250,1670) ; v1(2560,1740) 2600,1780 2600,2250 2555,2295 2555,2630 2574,2649 v1(2630,2649)
A14: B1.9 J3.2 TP29.8 U1.21 U2.10 U3.29 U6.15 | length 14058.4
  Top Layer w10: v1(620,2330) 710,2330 730,2310 730,2060 790,2000 1037.43,2000 1056.21,1981.21 1209.14,1981.21 1215,1987.07 1215,2465 1270,2520 1406.71,2520 U2.10@1411.71,2525 1414.21,2522.5 1492.5,2522.5 1520,2550 v1(1630,2550) ; TP29.8@700,5260 700,5200 660,5160 131.46,5160 125,5153.54 125,3995.86 130.86,3990 270,3990 305,3955 v1(433.79,3955) 562.57,3955 657.57,3860 1070,3860 1085,3875 1085,4081.35 1079.14,4087.2 U6.15@989.76,4087.2 ; U1.21@1325.98,567.87 1325.98,520.86 1331.84,515 1975,515 2000,540 2000,1226.65 2015,1241.65 2015,1484.5 2240.5,1710 v1(2310,1710) 2410,1810 v1@2551.19,1810 ; U3.29@2525,2699 2689.08,2699 v1(2689.54,2698.54) ; v1(2560,1810) 2570,1810 2631.04,1748.96 2631.04,1695.86 2636.89,1690 2740,1690 2800,1630 3057.87,1630 3110,1577.87 3110,1260 3070,1220 B1.9@2996.77,1220
  Bottom Layer w10: v1(433.79,3955) 433.79,3902.28 485,3851.07 485,2460 670,2460 680,2450 680,2335.86 674.14,2330 v1(620,2330) ; J3.2@600,5800 470,5800 430,5760 430,5190.86 435.86,5185 675,5185 700,5210 TP29.8@700,5260 ; v1(1630,2550) 1630,2275.86 1635.86,2270 1720,2270 1725.61,2264.39 1725.61,2044.39 1845,1925 1845,1710 v1(2310,1710) ; v1(2560,1810) 2560,1845.86 2585,1870.86 2585,2235 2540,2280 2540,2638.79 2600.21,2699 2689.08,2699 v1(2689.54,2698.54)
A14_A11: B1.6 TP17.1 U4.39 | length 1423.6
  Top Layer w10: TP17.1@2650,1300 2650,1225.86 2655.86,1220 2715.86,1220 ; v1(2710,930) 2717.65,922.35 2717.65,885.86 2728.51,875 3068.93,875 3085.25,858.68 v1(3085.25,795.25) ; v1@2710,1140 2710,1214.14 2715.86,1220 ; B1.6@2783.23,1220 2715.86,1220 ; v1(3340,810) 3426.94,810 3432.79,815.86 U4.39@3432.79,890
  Bottom Layer w10: v1(2710,930) v1(2710,1125) ; v1(3085.25,795.25) 3090,800 3140,800 3160,780 3299.18,780 3329.18,810 v1(3340,810)
A15: J4.16 TP29.9 U1.22 U4.27 U6.17 | length 15673.9
  Top Layer w10: v1(670,1750) 710,1790 970,1790 995,1815 1688.79,1815 1800,1926.21 v1(1800,2040) ; U6.17@989.76,4138.39 1091.61,4138.39 1100,4130 1100,3868.79 1076.21,3845 651.36,3845 596.36,3900 v1(500,3900) 255.86,3900 250,3905.86 250,3970 115.86,3970 110,3975.86 110,5467.57 355,5712.57 355,5914.14 360.86,5920 1500,5920 v1(1530,5890) ; U1.22@1357.48,567.87 1977.87,567.87 1985,575 1985,1232.87 2000,1247.87 2000,1500 v1(2250,1750) 2328.79,1750 2438.79,1860 2600,1860 2610,1850 2610,1815.5 2647.75,1777.75 2647.75,1710.86 2653.61,1705 2746.21,1705 2806.21,1645 3064.08,1645 3139.08,1570 3530,1570 3540,1560 U4.27@3540,1447.2
  Bottom Layer w10: v1(500,3900) 500,2480.86 505.86,2475 759.14,2475 770,2464.14 770,2410 750,2390 695,2390 695,2232.57 730,2197.57 730,1975.86 724.14,1970 691.21,1970 680,1958.79 680,1760 v1(670,1750) ; TP29.9@600,5260 609.39,5269.39 609.39,5303.09 610,5303.71 610,5324.14 604.14,5330 450.86,5330 445,5335.86 445,5614.14 450.86,5620 1480,5620 1530,5670 v1(1530,5890) 1560,5920 2380,5920 J4.16@2500,5800 ; v1(1800,2040) 1800,1991.21 1860,1931.21 1860,1750 v1(2250,1750)
BE: R4.1 R7.1 TP37.9 U4.12 U8.11 | length 8607.2
  Top Layer w10: R7.1@1400,1281.5 v1(1400,1340) ; v1(1540,1260) 1815.36,1260 1865,1309.64 1865,2034.29 1959.64,2128.93 1959.64,2140.36 1770,2330 1770,2720 1850,2800 1960,2800 v1(1960,2740) ; v1(2310,3090) 2317.65,3082.35 2333.51,3082.35 2335.86,3080 2618.79,3080 2658.79,3040 TP37.9@2800,3040 ; v1(3190,2425) 3190,2440 3240,2490 3468.79,2490 3543.79,2565 3683.91,2565 3689.76,2570.86 U8.11@3689.76,2614.84 ; v1(3920,1310) 3960,1310 3970,1300 3970,1150 3980,1140 U4.12@4047.2,1140
  Bottom Layer w10: R4.1@1400,1418.5 v1(1400,1340) 1460,1340 v1(1540,1260) ; v1(1960,2740) 1960,2810 2321.57,2810 2350,2838.43 2350,2950.17 2378.79,2978.95 2378.79,3084.14 2372.93,3090 v1(2310,3090) ; TP37.9@2800,3040 2860,3040 2910,3090 3080,3090 3090,3080 3090,2875 3095.86,2869.14 3169.14,2869.14 3185,2853.28 3185,2650.86 3190.86,2645 3229.14,2645 3235,2639.14 3235,2470 v1(3190,2425) 3190,2370 3140,2320 3140,2215.86 3134.14,2210 2900,2210 2820,2290 2695.86,2290 2690,2284.14 2690,1710 2713.96,1686.04 2803.96,1686.04 2870,1620 3012.5,1620 3047.5,1585 3835,1585 3850,1570 3850,1350 3860,1340 3890,1340 v1(3920,1310)
Clk_FB: R10.1 U13.2 U13.6 | length 988.1
  Bottom Layer w10: U13.2@1054.33,228.82 845.86,228.82 840,222.96 840,175.86 834.14,170 665.86,170 660,175.86 R10.1@660,218.5 660,244.14 665.86,250 774.14,250 780,255.86 780,325.32 785.86,331.18 U13.6@1054.33,331.18
CPLD_Clock: P8.2 TP37.5 U4.43 | length 4958.8
  Top Layer w10: v1(2570,1130) v1(2570,1230) ; v1(2570,3550) 2624.14,3550 2630,3544.14 2630,3445.86 2635.86,3440 TP37.5@2800,3440 ; v1(2960,630) 3010,680 3610,680 3640,710 U4.43@3640,832.8
  Bottom Layer w10: v1(2570,1130) 2570,910.25 2575.86,904.39 2623.54,904.39 2629.39,898.54 2629.39,869.39 2645.86,852.93 2984.14,852.93 2990,847.07 2990,660 2970,640 2960,640 v1(2960,630) P8.2@2650,630 ; v1(2570,1230) 2562.35,1237.65 2532.35,1237.65 2490.5,1279.5 2490.5,1800.5 2570,1880 2570,2220 2520,2270 2520,2900 2590,2970 2590,3530 v1(2570,3550)
CPLD_Clock_28MHz: P8.3 U12.8 | length 736.9
  Bottom Layer w10: U12.8@1996.77,820 2639.23,820 2645.09,814.14 2645.09,734.91 P8.3@2650,730
CPLD_Clock_FB: U12.6 U12.9 | length 213.5
  Bottom Layer w10: U12.6@1783.23,770 U12.9@1996.77,770
D0: IC2.6 J5.2 PC_0.2 PC_1.2 PC_2.2 PC_3.2 PC_4.2 PC_5.2 PC_6.2 PC_7.2 PC_8.2 PC_9.2 PC_10.2 PC_11.2 R247.1 TP31.2 U1.30 U2.11 U3.13 U7.2 | length 33221.4
  Top Layer w10: U2.11@1411.71,2575 1520,2575 1520,2739.14 1525.86,2745 1723.79,2745 1740,2761.21 1740,2829.14 1745.86,2835 1904.14,2835 1930,2860.86 1930,3254.14 1945.86,3270 v1(2010,3270) ; U1.30@1442.13,872.99 1859.14,872.99 1865,878.85 1865,1288.43 1880,1303.43 1880,2010 2015,2145 2015,2285 2029,2299 U3.13@2075,2299 2139,2299 2150,2310 v1(2150,2480) ; v1@2000,3870 2000,3925.15 2020,3945.15 2020,4184.14 2025.86,4190 2134.8,4190 U7.2@2135.24,4189.57 ; v1(2520,1910) 2580,1910 2643.11,1846.89 2643.11,1836.89 v1(2730,1750) ; TP31.2@3000,5260 3000,5180.86 2994.14,5175 2840.86,5175 2835,5180.86 2835,5805 2840.86,5810.86 2989.14,5810.86 J5.2@3000,5800 ; R247.1@4690,2551.5 4690,2629.14 4695.86,2635 5165.82,2635 5195,2605.82 v1(5195,2600) ; IC2.6@4778.15,4087.76 4655.86,4087.76 4650,4081.9 4650,3790 4695,3745 4950,3745 4980,3775 5199.14,3775 5205,3769.14 5205,3005 5238.71,2971.29 5238.71,2851.29 v1(5240,2850) ; v1@5073.51,1377.65 5075.86,1380 5422.43,1380 5523.28,1279.14 6344.14,1279.14 6350,1273.28 6350,740 6390,700 PC_9.2@6600,700 ; PC_6.2@6600,2000 6600.43,1999.57 6600.43,1949.57 6630,1920 6710,1920 6735,1895 7530,1895 7545,1910 7605.86,1910 ; PC_3.2@6600,3300 6600,3225.86 6605.86,3220 6930,3220 7010,3300 PC_4.2@7600,3300 7600,3230 7610,3220 v1(8230,3220) 8594.14,3220 8600,3225.86 PC_5.2@8600,3300 ; PC_0.2@6600,4600 6611.65,4588.35 6611.65,4553.35 6620,4545 7535,4545 7560,4520 7640,4520 ; v1(7400,620) 7630,620 ; PC_10.2@7600,700 7600.43,699.57 7600.43,649.57 7630,620 ; PC_7.2@7600,2000 7600,1915.86 7605.86,1910 ; PC_1.2@7600,4600 7610.43,4589.57 7610.43,4549.57 7640,4520 ; PC_11.2@8600,700 8591.41,691.41 8591.41,625.86 8585.55,620 v1(8230,620) 7630,620 ; PC_8.2@8600,2000 8600,1920 8590,1910 v1(8230,1910) 7605.86,1910 ; PC_2.2@8600,4600 8590,4590 v1(8250,4590) 7890,4590 7820,4520 7650,4520 7640,4520
  Bottom Layer w10: v1(2520,1910) 2026.36,1910 1995,1941.36 1995,2098.64 2150,2253.64 v1(2150,2480) 2105,2525 2105,2719.14 2145.86,2760 2298.79,2760 2365,2826.21 2365,2936.64 2393.79,2965.43 2393.79,3111.57 2370.36,3135 2222.57,3135 2197.57,3160 2091.92,3160 2054.79,3197.14 2054.79,3225.21 v1(2010,3270) 2055,3315 2055,3785 2000,3840 v1(2000,3850) 2000,3930 1948.79,3981.21 1948.79,5091.21 1957.57,5100 2461.72,5100 2476.72,5115 2980.86,5115 3000,5134.14 TP31.2@3000,5260 ; v1@2725,1750 2920,1750 3070,1600 4206.36,1600 4295,1511.36 4295,1385 4310,1370 v1(5050,1370) 5140,1370 5265,1495 5265,1663.79 5456.21,1855 5456.21,1993.79 5515,2052.57 5515,2238.79 5570,2293.79 5570,2762.93 5564.14,2768.79 5321.21,2768.79 v1(5240,2850) 5210,2820 5210,2670 5195,2655 v1(5195,2600) ; PC_9.2@6600,700 6600,640 6620,620 v1(7400,620) ; v1(8230,620) 8230,1920.82 8215,1935.82 8215,2739.84 8230,2754.84 v1(8230,3220) 8225,3225 8225,4344.84 8250,4369.84 v1(8250,4590)
D1: IC2.7 J5.4 PC_0.4 PC_1.4 PC_2.4 PC_3.4 PC_4.4 PC_5.4 PC_6.4 PC_7.4 PC_8.4 PC_9.4 PC_10.4 PC_11.4 R249.1 TP31.3 U1.29 U2.12 U3.14 U7.4 | length 35883.6
  Top Layer w10: U2.12@1411.71,2625 1500,2625 1500,2754.14 1505.86,2760 1717.57,2760 1725,2767.43 1725,2844.14 1730.86,2850 1889.14,2850 1915,2875.86 1915,3286.72 1953.28,3325 2084.14,3325 2090,3319.14 2090,3275.86 2084.14,3270 v1(2080,3270) ; U1.29@1442.13,841.5 1874.14,841.5 1880,847.35 1880,1282.22 1895,1297.22 1895,2003.79 2071.21,2180 2149.57,2180 2150,2180.43 U3.14@2150,2225 2150,2270 2170,2290 2170,2435 2200,2465 2200,2530 2160,2570 v1(2150,2570) ; v1@2062.35,3867.65 2062.35,3897.65 2050,3910 2040.86,3910 2035,3915.86 2035,4132.53 2040.86,4138.39 U7.4@2135.24,4138.39 ; v1(2400,1960) 2570,1960 2660,1870 2660,1841.21 2681.21,1820 v1(2730,1820) ; TP31.3@3100,5260 3100,5185.86 3074.14,5160 2830,5160 2820,5170 2820,5844.14 2825.86,5850 3069.14,5850 3080,5839.14 3080,5836.47 3100,5816.47 J5.4@3100,5800 ; R249.1@4630,2551.5 4630,2600.36 4679.64,2650 5210,2650 5240,2620 v1(5290,2620) ; IC2.7@4778.15,4056.26 4736.26,4056.26 4710,4030 4710,3775.86 4725.86,3760 4942.43,3760 4972.43,3790 5214.14,3790 5220,3784.14 5220,3013.79 5290,2943.79 5290,2887.57 5350,2827.57 5350,2745.86 5334.14,2730 v1(5260,2730) ; v1(5050,1440) 5383.64,1440 5523.64,1300 6364.14,1300 6370,1294.14 6370,840 6410,800 PC_9.4@6600,800 ; v1(6820,3300) 6940,3300 6990,3350 7510,3350 7549.57,3389.57 7589.57,3389.57 PC_4.4@7600,3400 ; v1(6860,4720) 7520,4720 7540,4700 PC_1.4@7600,4700 ; v1(6880,2050) 7480,2050 7530,2100 PC_7.4@7600,2100 ; v1(7500,540) 7505,535 8435,535 v1(8440,530) ; v1(7620,3160) v1(8170,3160) v1(8610,3160) ; v1(7800,2010) 7840,2050 v1(8170,2050) 8550,2050 PC_8.4@8600,2100 ; v1(7810,4750) 7850,4710 v1(8170,4710) v1(8410,4710)
  Bottom Layer w10: v1(2150,2570) 2120,2600 2120,2710 2155,2745 2312.57,2745 2380,2812.43 2380,2930 2408.79,2958.79 2408.79,3121.82 2380.61,3150 2230,3150 2205,3175 2098.14,3175 2080,3193.14 v1(2080,3270) 2080,3328.79 2070,3338.79 v1(2070,3850) 2062.35,3857.65 2062.35,3888.87 1963.79,3987.43 1963.79,5079.14 1969.64,5085 2467.93,5085 2482.93,5100 3070,5100 3100,5130 TP31.3@3100,5260 ; v1@2157.65,2562.35 2157.65,2542.35 2190,2510 2190,2450 2170,2430 2170,2252.43 2010,2092.43 2010,1947.57 2032.57,1925 2355,1925 2390,1960 v1(2400,1960) ; v1(2730,1820) 2764.14,1820 2770,1814.14 2770,1770.86 2775.86,1765 2926.21,1765 3076.21,1615 4212.57,1615 4310,1517.57 4310,1461.21 4310.61,1460.61 4310.61,1391.46 4316.46,1385.61 4974.14,1385.61 4980,1391.46 4980,1430 4990,1440 v1(5050,1440) 5188.79,1440 5250,1501.21 5250,1670 5441.21,1861.21 5441.21,2000 5500,2058.79 5500,2245 5550,2295 5550,2740.36 5536.57,2753.79 5292.78,2753.79 5268.99,2730 v1(5260,2730) 5260,2650 v1(5290,2620) ; PC_9.4@6600,800 6589.57,789.57 6549.57,789.57 6520,760 6520,560 6540,540 v1(7500,540) 7500,780 7519.57,799.57 7599.57,799.57 PC_10.4@7600,800 ; PC_6.4@6600,2100 6650,2150 6874.14,2150 6880,2144.14 v1(6880,2050) ; PC_3.4@6600,3400 6555.86,3400 6550,3394.14 6550,3200 6560,3190 6814.14,3190 6820,3195.86 v1(6820,3300) ; PC_0.4@6600,4700 6650,4750 6830,4750 v1(6860,4720) ; PC_7.4@7600,2100 7535.86,2100 7530,2094.14 7530,1915.86 7535.86,1910 7784.14,1910 7790,1915.86 7790,1984.14 7792.35,1986.49 7792.35,2002.35 v1(7800,2010) ; PC_4.4@7600,3400 7540,3340 7540,3240 v1(7620,3160) ; PC_1.4@7600,4700 7650,4750 v1(7810,4750) ; v1(8170,530) v1(8170,2050) v1(8170,3160) v1(8170,4710) ; v1(8410,4710) 8415,4705 8595,4705 PC_2.4@8600,4700 ; v1(8440,530) 8440,774.14 8465.86,800 PC_11.4@8600,800 ; PC_5.4@8600,3400 8535.86,3400 8510,3374.14 8510,3200 8550,3160 v1(8610,3160)